# Altium PCB Proyecto_0 - V2.PcbDoc (part 3 of 6) (continued)
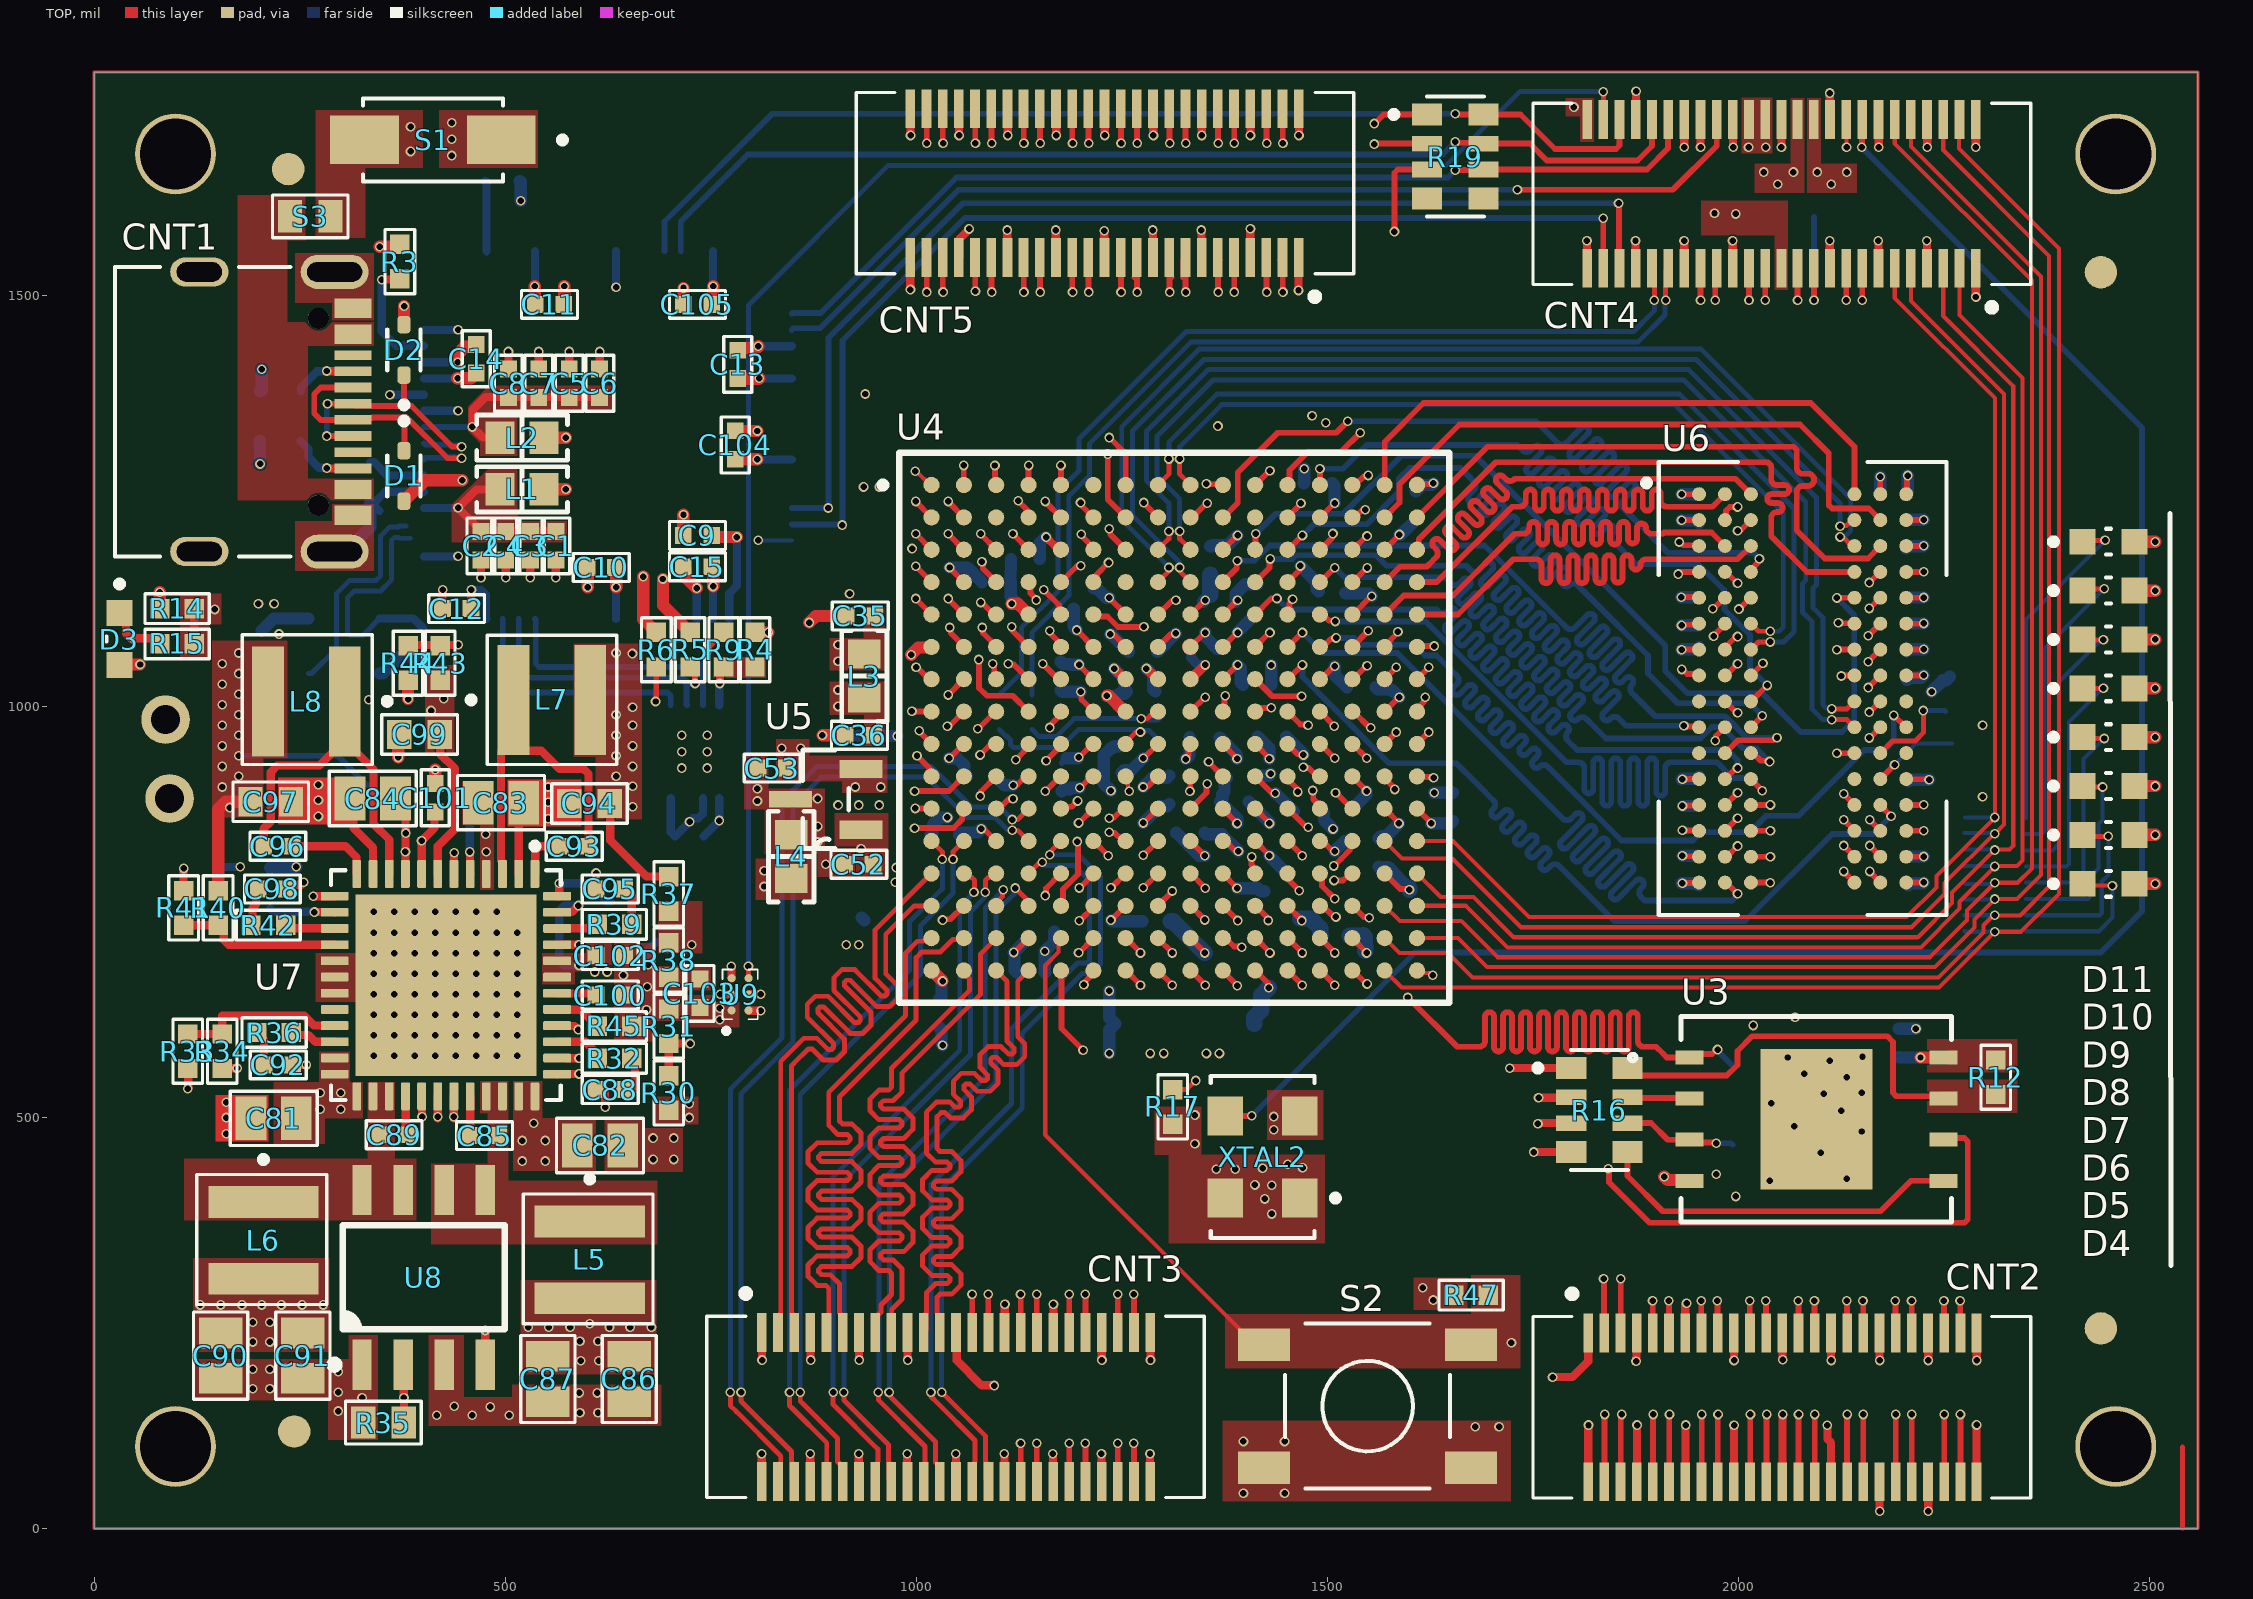
[diagram p0: TOP view]
## Nets (pads, with @x,y where several pads share a name; then routed paths per layer and width w, separated by ;. In a path a pad name is that pad's centre, name@x,y a point inside that pad or via, vN(x,y) a via of type N, cw(c..) or ccw(c..) an arc to the next point about the centre after c; other vN are vias at no path point) (continued)
  TOP w7: U4.B12@1451.68,1229.97 1451.68,1230.33 1468,1246.64 v1(1468,1247) ; v1(2128.19,830.83) 2128.19,830.53 2141.2,817.52 U6.R7@2141.2,817.21
  Signal[2] w6: v1(1468,1247) 1479.7,1235.3 1487,1228 1597,1228 1609.94,1228 cw(c1609.94,1222) 1615.94,1222 1615.94,1214.29 ccw(c1620.91,1214.29) 1625.87,1214.29 1625.87,1228.03 cw(c1630.84,1228.03) 1635.81,1228.03 1635.81,1214.29 ccw(c1640.78,1214.29) 1645.75,1214.29 1645.75,1228.03 cw(c1650.72,1228.03) 1655.69,1228.03 1655.69,1214.29 ccw(c1660.65,1214.29) 1665.62,1214.29 1665.62,1228.03 cw(c1670.59,1228.03) 1675.56,1228.03 1675.56,1214.29 ccw(c1680.53,1214.29) 1685.5,1214.29 1685.5,1228.03 cw(c1690.46,1228.03) 1695.43,1228.03 1695.43,1218.39 ccw(c1700.4,1218.39) 1705.37,1218.39 1705.37,1222 cw(c1711.37,1222) 1711.37,1228 1738.57,1228 1745,1228 1870.5,1102.5 1870.5,1024.5 1948,947 2048,947 2060,935 2060,845 2074.17,830.83 v1(2128.19,830.83)
ADD12: U4.A12 U6.N7 | length 1147
  TOP w7: U4.A12@1451.68,1269.34 1454.11,1271.76 1454.11,1287.34 1476.48,1309.71 1516.71,1309.71 v1(1540,1333) ; v1(2128.19,893.83) 2128.19,893.52 2141.2,880.51 U6.N7@2141.2,880.2
  Signal[2] w6: v1(1540,1333) 2069,1333 2096,1306 2096,1110 2142,1064 2142,949.61 2128.19,935.8 v1(2128.19,893.83)
ADD13: U4.H11 U6.T3 | length 1153.2
  TOP w7: U4.H11@1412.31,993.74 1415.75,993.74 1420.12,998.12 1431.5,998.12 v1(1431.73,998.34) ; U6.T3@2015.22,785.71 v1(2038.7,785.73)
  Signal[2] w6: v1(1431.73,998.34) 1652.66,998.34 1689,962 1689,798 1719.54,767.46 1747.17,767.46 1750.17,767.46 ccw(c1750.17,773.46) 1756.17,773.46 1756.17,779.49 cw(c1761.14,779.49) 1766.1,779.49 1766.1,760.18 ccw(c1771.07,760.18) 1776.04,760.18 1776.04,779.49 cw(c1781.01,779.49) 1785.98,779.49 1785.98,760.18 ccw(c1790.95,760.18) 1795.92,760.18 1795.92,779.49 cw(c1800.88,779.49) 1805.85,779.49 1805.85,760.18 ccw(c1810.82,760.18) 1815.79,760.18 1815.79,779.49 cw(c1820.76,779.49) 1825.73,779.49 1825.73,760.18 ccw(c1830.69,760.18) 1835.66,760.18 1835.66,779.49 cw(c1840.63,779.49) 1845.6,779.49 1845.6,760.18 ccw(c1850.57,760.18) 1855.54,760.18 1855.54,779.49 cw(c1860.51,779.49) 1865.47,779.49 1865.47,765.27 ccw(c1870.44,765.27) 1875.41,765.27 1875.41,773.46 cw(c1880.38,773.46) 1885.35,773.46 ccw(c1891.35,773.46) 1891.35,767.46 1937.82,767.46 1943,767.46 1961.27,785.73 v1(2038.7,785.73)
ADD14: U4.H13 U6.T7 | length 1139.8
  TOP w7: U4.H13@1491.05,994.13 U4.H13@1491.05,993.74 1508.43,976.37 v1(1508.43,975.98) ; v1(2128.19,799.34) 2128.19,799.03 2141.2,786.02 U6.T7@2141.2,785.71
  Signal[2] w6: v1(1508.43,975.98) 1519.46,987 1621,987 1631,977 ; 1630.84,976.84 1674,933.68 1674,787 1729,732 1894.89,732 1935.15,732 ccw(c1935.15,738) 1941.15,738 cw(c1946.12,738) 1951.09,738 1951.09,732 ccw(c1956.06,732) 1961.03,732 1961.03,746.81 cw(c1966,746.81) 1970.97,746.81 1970.97,731.97 ccw(c1975.93,731.97) 1980.9,731.97 1980.9,751.05 cw(c1985.87,751.05) 1990.84,751.05 1990.84,731.97 ccw(c1995.81,731.97) 2000.78,731.97 2000.78,751.05 cw(c2005.74,751.05) 2010.71,751.05 2010.71,731.97 ccw(c2015.68,731.97) 2020.65,731.97 2020.65,751.05 cw(c2025.62,751.05) 2030.59,751.05 2030.59,731.97 ccw(c2035.56,731.97) 2040.52,731.97 2040.52,751.05 cw(c2045.49,751.05) 2050.46,751.05 2050.46,738 ccw(c2056.46,738) 2056.46,732 2060.85,732 2065.88,737.03 v1(2128.19,799.34)
AGND: C37.1 C52.1 C53.1 C54.1 CNT4.39 L4.2 U4.G7 U4.H7 U5.3 | length 185.6
  TOP w12: v1(1240.72,1046.08) 1251.75,1035.05 1252.9,1035.05 U4.G7@1254.83,1033.12
  TOP w15: v1(1232,1013) 1234.31,1013 1253.57,993.74 U4.H7@1254.83,993.74
  BOT w15: v1(1232,1013) 1232.26,1012.74 1244.63,1012.74 1247.49,1015.61 1253.67,1015.61 C37.1@1256.41,1018.34 1253.67,1021.08 1253.67,1033.1 v1(1240.72,1046.08) ; v1(1236.87,897.63) 1236.79,897.63 1228,906.41 1228,940.3 1236.79,949.09 1238.48,949.09 1240.98,951.59 1247.26,951.59 C54.1@1250,954.32
  other v1: 890,808 880,835 880,854 806.91,885 880,888 806.91,900 2048,1635 2031,1650 2067,1650
B1: CNT5.15 U4.D3 | length 447.4
  TOP w7: v1(1080,1176) 1080.92,1175.08 1080.92,1167.8 1097.35,1151.37 U4.D3@1097.35,1151.23 ; CNT5.15@1189.93,1545.66 1189.93,1504.24 v1(1190.17,1504)
  Signal[1] w6: v1(1080,1176) 1080,1196.21 1110,1226.21 1110,1399 1190.17,1479.17 v1(1190.17,1504)
B2: CNT5.40 U4.A4 | length 512.3
  TOP w7: U4.A4@1136.74,1269.35 1136.74,1290.89 v1(1136.76,1293.11) ; CNT5.40@1268.67,1726.76 1268.67,1685.34 v1(1268.91,1685.1)
  Signal[1] w6: v1(1136.76,1293.11) 1136.76,1374.76 1190,1428 1190,1428.41 1227,1465.41 1227,1524.09 1268.91,1566 v1(1268.91,1685.1)
B4: CNT5.46 U4.D5 | length 683.5
  TOP w7: U4.D5@1176.09,1151.23 1194.95,1170.08 1199.08,1170.08 v1(1200,1171) ; CNT5.46@1386.78,1726.76 1386.78,1685.34 v1(1387.02,1685.1)
  Signal[1] w6: v1(1200,1171) 1201.11,1172.11 1206.53,1172.11 1262.5,1228.08 1262.5,1271.53 1405,1414.03 1405,1553.27 1387.02,1571.26 v1(1387.02,1685.1)
B5: CNT5.48 U4.F4 | length 894.8
  TOP w7: v1(1116.21,1096.79) 1116.21,1093 U4.F4@1136.72,1072.49 ; CNT5.48@1426.15,1726.76 1426.15,1685.34 v1(1426.39,1685.1)
  Signal[1] w6: v1(1116.21,1096.79) 1151.9,1096.79 1198.36,1143.25 1266.22,1143.25 1340.82,1217.86 1340.82,1274.25 1478,1411.42 1478,1515 1426.39,1566.61 v1(1426.39,1685.1)
B6: CNT5.49 U4.F5 | length 872.9
  TOP w7: v1(1162.58,1092.05) 1163.5,1091.13 1163.5,1088.51 1176.09,1075.92 U4.F5@1176.09,1072.49 ; CNT5.49@1445.83,1726.76 1445.83,1685.34 v1(1446.07,1685.1)
  Signal[1] w6: v1(1162.58,1092.05) 1183.61,1113.08 1284.44,1113.08 1297.94,1126.58 1297.94,1126.64 1366.73,1195.43 1366.73,1275.73 1490,1399 1490,1524 1446.07,1567.93 v1(1446.07,1685.1)
B7: CNT5.2 U4.D4 | length 606.9
  TOP w6: CNT5.2@1442.69,1542.99 CNT5.2@1445.59,1545.9
  TOP w7: U4.D4@1136.72,1151.23 1139.15,1148.8 1139.15,1137.7 1146.15,1130.7 v1(1146.15,1129.4) ; CNT5.2@1445.83,1545.66 1445.83,1504.24 v1(1446.07,1504)
  Signal[1] w6: v1(1146.15,1129.4) 1163.4,1129.4 1190,1156 1234.97,1156 1296.48,1217.52 1319,1240.03 1319,1268 1446.07,1395.07 v1(1446.07,1504)
BA0: U4.E11 U6.M2 | length 1110
  TOP w7: U4.E11@1412.31,1111.86 1431.73,1131.27 v1(1438.8,1131.27) ; U6.M2@1983.72,911.7 1996.1,924.08 1998.08,924.08 v1(1999,925)
  BOT w7: v1(1438.8,1131.27) 1452.07,1118 1633,1118 1633.05,1117.95 1635.52,1115.48 ccw(c1640.47,1120.43) 1645.42,1115.48 1647.83,1117.88 cw(c1651.69,1114.01) 1655.56,1117.88 cw(c1651.69,1114.01) 1655.56,1110.15 1644.47,1099.06 ccw(c1648.34,1095.19) 1644.47,1091.32 ccw(c1648.34,1095.19) 1652.21,1091.32 1663.3,1102.41 cw(c1667.16,1098.55) 1671.03,1102.41 cw(c1667.16,1098.55) 1671.03,1094.68 1659.94,1083.59 ccw(c1663.81,1079.72) 1659.94,1075.86 ccw(c1663.81,1079.72) 1667.67,1075.86 1678.76,1086.95 cw(c1682.63,1083.08) 1686.5,1086.95 cw(c1682.63,1083.08) 1686.5,1079.21 1675.41,1068.12 ccw(c1679.27,1064.26) 1675.41,1060.39 ccw(c1679.27,1064.26) 1683.14,1060.39 1694.23,1071.48 cw(c1698.1,1067.61) 1701.96,1071.48 cw(c1698.1,1067.61) 1701.96,1063.74 1690.87,1052.65 ccw(c1694.74,1048.79) 1690.87,1044.92 ccw(c1694.74,1048.79) 1698.61,1044.92 1709.7,1056.01 cw(c1713.56,1052.14) 1717.43,1056.01 cw(c1713.56,1052.14) 1717.43,1048.28 1706.34,1037.19 ccw(c1710.21,1033.32) 1706.34,1029.45 ccw(c1710.21,1033.32) 1714.07,1029.45 1725.16,1040.54 cw(c1729.03,1036.68) 1732.9,1040.54 cw(c1729.03,1036.68) 1732.9,1032.81 1721.81,1021.72 ccw(c1725.67,1017.85) 1721.81,1013.99 ccw(c1725.67,1017.85) 1729.54,1013.99 1740.63,1025.08 cw(c1744.5,1021.21) 1748.37,1025.08 cw(c1744.5,1021.21) 1748.37,1017.34 1737.28,1006.25 ccw(c1741.14,1002.39) 1737.28,998.52 ccw(c1741.14,1002.39) 1745.01,998.52 1756.1,1009.61 cw(c1759.97,1005.74) 1763.83,1009.61 cw(c1759.97,1005.74) 1763.83,1001.88 1752.74,990.79 ccw(c1756.61,986.92) 1752.74,983.05 ccw(c1756.61,986.92) 1760.48,983.05 1771.57,994.14 cw(c1775.43,990.28) 1779.3,994.14 cw(c1775.43,990.28) 1779.3,986.41 1770.37,977.48 ccw(c1774.23,973.61) 1770.37,969.74 ccw(c1774.23,973.61) 1778.1,969.74 1784.63,976.27 cw(c1788.5,972.4) 1792.36,976.27 cw(c1788.5,972.4) 1792.36,968.54 ccw(c1797.31,963.59) 1792.36,958.64 1804,947 1818.36,947 1987,947 1999.08,934.92 1999.08,925.92 v1@2000,925
BA1: U4.G12 U6.N8 | length 1111.9
  TOP w7: U4.G12@1451.68,1033.12 1452.07,1033.12 1469.45,1050.49 v1(1469.84,1050.49) ; U6.N8@2172.7,880.2 2172.7,879.89 2185.7,866.88 v1(2185.7,866.57)
  BOT w7: v1(1469.84,1050.49) 1469.84,1036.16 1575,931 1657,931 1680.5,907.5 1682.97,905.03 1702.34,885.66 cw(c1697.39,880.71) 1702.34,875.76 1700.95,874.37 ccw(c1704.81,870.5) 1700.95,866.64 ccw(c1704.81,870.5) 1708.68,866.64 1714.69,872.65 cw(c1718.56,868.78) 1722.42,872.65 cw(c1718.56,868.78) 1722.42,864.91 1714.18,856.67 ccw(c1718.04,852.8) 1714.18,848.93 ccw(c1718.04,852.8) 1721.91,848.93 1730.16,857.18 cw(c1734.02,853.31) 1737.89,857.18 cw(c1734.02,853.31) 1737.89,849.45 1729.64,841.2 ccw(c1733.51,837.33) 1729.64,833.47 ccw(c1733.51,837.33) 1737.38,833.47 1745.62,841.71 cw(c1749.49,837.85) 1753.36,841.71 cw(c1749.49,837.85) 1753.36,833.98 1745.11,825.73 ccw(c1748.98,821.87) 1745.11,818 ccw(c1748.98,821.87) 1752.84,818 1761.09,826.25 cw(c1764.96,822.38) 1768.83,826.25 cw(c1764.96,822.38) 1768.83,818.51 1760.58,810.26 ccw(c1764.45,806.4) 1760.58,802.53 ccw(c1764.45,806.4) 1768.31,802.53 1771.94,806.16 cw(c1776.89,801.21) 1781.84,806.16 1784.32,803.68 1849,739 2008.1,739 2114.1,845 2164.13,845 v1(2185.7,866.57)
BA2: U4.E13 U6.M3 | length 1112.8
  TOP w7: U4.E13@1491.05,1111.86 1494.49,1111.86 1502.08,1104.26 1508.81,1104.26 v1(1509.73,1103.34) ; U6.M3@2015.22,911.7 2015.22,911.53 2029.03,897.71 v1(2029.03,897.54)
  BOT w7: v1(1509.73,1103.34) 1619.66,1103.34 1791,932 1791.17,932 1805.61,932 cw(c1805.61,925) 1812.61,925 1812.61,899.58 ccw(c1818.08,899.58) 1823.55,899.58 1823.55,931.53 cw(c1829.02,931.53) 1834.49,931.53 1834.49,884.62 ccw(c1839.95,884.62) 1845.42,884.62 1845.42,931.53 cw(c1850.89,931.53) 1856.36,931.53 1856.36,884.62 ccw(c1861.83,884.62) 1867.3,884.62 1867.3,931.53 cw(c1872.77,931.53) 1878.23,931.53 1878.23,884.62 ccw(c1883.7,884.62) 1889.17,884.62 1889.17,931.53 cw(c1894.64,931.53) 1900.11,931.53 1900.11,896.7 ccw(c1905.58,896.7) 1911.05,896.7 1911.05,925 cw(c1918.05,925) 1918.05,932 1935.52,932 1974,932 1993,913 2013.58,913 v1(2029.03,897.54)
BVUS: CNT1.A4_B9 CNT1.B4_A9 S3.1
BVUS_PROTECTED: R8.2 S1.A S3.2
  other v1: 385,1675 385,1705
C1: CNT5.14 U4.B4 | length 356.6
  TOP w7: v1(1123.98,1250.04) 1134.3,1239.72 1134.3,1232.39 U4.B4@1136.72,1229.97 ; CNT5.14@1209.61,1545.66 1209.61,1504.24 v1(1209.85,1504)
  Signal[1] w6: v1(1123.98,1250.04) 1123.98,1383.98 1209.85,1469.85 v1(1209.85,1504)
C2: CNT5.12 U4.C4 | length 417.5
  TOP w7: v1(1117.74,1210) 1117.74,1209.58 U4.C4@1136.72,1190.6 ; CNT5.12@1248.98,1545.66 1248.98,1504.24 v1(1249.22,1504)
  Signal[1] w6: v1(1117.74,1210) 1141,1233.26 1141,1270 1150,1279 1150,1363 1249.22,1462.22 v1(1249.22,1504)
C3: CNT5.11 U4.B5 | length 395.1
  TOP w6: 1265.08,1521.76 1265.52,1522.2 1265.52,1542.99 CNT5.11@1268.43,1545.9
  TOP w7: v1@1157.11,1248.95 U4.B5@1176.09,1229.97 ; CNT5.11@1268.67,1545.66 1268.67,1504.24 v1(1268.91,1504)
  Signal[1] w6: v1(1157.11,1249.37) 1157.11,1250.94 1164,1257.83 1164,1345 1268.91,1449.91 v1(1268.91,1504)
C4: CNT5.33 U4.E1 | length 785.3
  TOP w7: v1(999.63,1131.26) 999.63,1130.84 U4.E1@1018.61,1111.86 ; CNT5.33@1130.87,1726.76 1130.87,1685.34 v1(1131.11,1685.1)
  Signal[1] w6: v1(999.63,1131.26) 981.74,1131.26 882,1231 882,1435.99 v1(1131.11,1685.1)
C6: CNT5.9 U4.E5 | length 531.6
  TOP w6: CNT5.9@1307.8,1545.9 1308.04,1545.66 1310.7,1542.99 1310.7,1522.2 1311.14,1521.76
  TOP w7: v1(1155,1142) 1173.67,1123.33 1173.67,1114.28 U4.E5@1176.09,1111.86 ; CNT5.9@1308.04,1545.66 1308.04,1504.24 v1(1308.28,1504)
  Signal[1] w6: v1(1155,1142) 1172,1159 1187.03,1174.03 1187.03,1321.03 1308.28,1442.28 v1(1308.28,1504)
C7: CNT5.8 U4.B6 | length 400.7
  TOP w6: 1324.14,1521.76 1324.57,1522.2 1324.57,1542.99 CNT5.8@1327.48,1545.9
  TOP w7: v1(1199.99,1248.02) 1200.91,1247.1 1200.91,1244.52 U4.B6@1215.46,1229.97 ; CNT5.8@1327.72,1545.66 1327.72,1504.24 v1(1327.96,1504)
  Signal[1] w6: v1(1199.99,1248.02) 1199.99,1308.99 1327.96,1436.96 v1(1327.96,1504)
C\A\S\: U4.C12 U6.K3 | length 1100.1
  TOP w7: U4.C12@1451.68,1190.6 1452.07,1190.6 1469.45,1207.97 v1(1469.84,1207.97) ; U6.K3@2015.22,974.69 v1(2029.22,988.69)
  BOT w7: v1(1469.84,1207.97) 1483.58,1221.71 1548.16,1221.71 1587,1260.54 1587,1277 1600,1290 1662,1290 1668.38,1283.62 1670.86,1281.14 1678.59,1273.41 cw(c1673.64,1268.46) 1678.59,1263.51 1672.48,1257.39 ccw(c1676.34,1253.53) 1672.48,1249.66 ccw(c1676.34,1253.53) 1680.21,1249.66 1690.94,1260.39 cw(c1694.81,1256.53) 1698.68,1260.39 cw(c1694.81,1256.53) 1698.68,1252.66 1687.94,1241.93 ccw(c1691.81,1238.06) 1687.94,1234.19 ccw(c1691.81,1238.06) 1695.68,1234.19 1706.41,1244.93 cw(c1710.28,1241.06) 1714.15,1244.93 cw(c1710.28,1241.06) 1714.15,1237.19 1703.41,1226.46 ccw(c1707.28,1222.59) 1703.41,1218.72 ccw(c1707.28,1222.59) 1711.15,1218.72 1721.88,1229.46 cw(c1725.75,1225.59) 1729.61,1229.46 cw(c1725.75,1225.59) 1729.61,1221.72 1718.88,1210.99 ccw(c1722.75,1207.12) 1718.88,1203.26 ccw(c1722.75,1207.12) 1726.61,1203.26 1737.35,1213.99 cw(c1741.21,1210.12) 1745.08,1213.99 cw(c1741.21,1210.12) 1745.08,1206.26 1734.35,1195.52 ccw(c1738.21,1191.66) 1734.35,1187.79 ccw(c1738.21,1191.66) 1742.08,1187.79 1752.81,1198.52 cw(c1756.68,1194.66) 1760.55,1198.52 cw(c1756.68,1194.66) 1760.55,1190.79 1749.81,1180.06 ccw(c1753.68,1176.19) 1749.81,1172.32 ccw(c1753.68,1176.19) 1757.55,1172.32 1768.28,1183.06 cw(c1772.15,1179.19) 1776.01,1183.06 cw(c1772.15,1179.19) 1776.01,1175.32 1765.28,1164.59 ccw(c1769.15,1160.72) 1765.28,1156.86 ccw(c1769.15,1160.72) 1773.01,1156.86 1783.75,1167.59 cw(c1787.62,1163.72) 1791.48,1167.59 cw(c1787.62,1163.72) 1791.48,1159.86 1786.8,1155.17 ccw(c1790.67,1151.31) 1786.8,1147.44 ccw(c1790.67,1151.31) 1794.53,1147.44 1794.6,1147.5 cw(c1799.55,1142.55) 1804.5,1147.5 1817.35,1134.65 1819.83,1132.17 1890,1062 1890,1040 1926.2,1003.8 2014.1,1003.8 v1(2029.22,988.69)
C\S\: U4.D10 U6.L2 | length 1140.9
  TOP w7: U4.D10@1372.94,1151.23 1389.81,1168.09 1389.81,1176.42 v1(1390.73,1177.34) ; U6.L2@1983.72,943.19 1999.47,958.94 2042.64,958.94 2045.7,962 v1(2047,962)
  BOT w7: v1(1390.73,1177.34) 1411.66,1177.34 1430.19,1195.88 1691.12,1195.88 1788.56,1098.44 1791.04,1095.96 ccw(c1795.99,1100.91) 1800.94,1095.96 1816.14,1111.17 cw(c1820.01,1107.3) 1823.87,1111.17 cw(c1820.01,1107.3) 1823.87,1103.43 1805.01,1084.57 ccw(c1808.88,1080.71) 1805.01,1076.84 ccw(c1808.88,1080.71) 1812.75,1076.84 1831.61,1095.7 cw(c1835.47,1091.83) 1839.34,1095.7 cw(c1835.47,1091.83) 1839.34,1087.97 1820.48,1069.11 ccw(c1824.35,1065.24) 1820.48,1061.37 ccw(c1824.35,1065.24) 1828.21,1061.37 1847.07,1080.23 cw(c1850.94,1076.37) 1854.81,1080.23 cw(c1850.94,1076.37) 1854.81,1072.5 1835.95,1053.64 ccw(c1839.82,1049.77) 1835.95,1045.91 ccw(c1839.82,1049.77) 1843.68,1045.91 1861.84,1064.06 cw(c1865.7,1060.19) 1869.57,1064.06 cw(c1865.7,1060.19) 1869.57,1056.33 1851.42,1038.17 ccw(c1855.28,1034.3) 1851.42,1030.44 ccw(c1855.28,1034.3) 1859.15,1030.44 1862.81,1034.09 cw(c1866.67,1030.23) 1870.54,1034.09 cw(c1866.67,1030.23) 1870.54,1026.36 ccw(c1875.49,1021.41) 1870.54,1016.46 1875.74,1011.25 1878.22,1008.78 1898.95,988.05 1983.95,988.05 2010,962 v1(2047,962)
CK_N: U4.C9 U6.K7 | length 1352.8
  TOP w6: v1(1320.39,1213) 1320.39,1203.78 U4.C9@1333.57,1190.6 ; v1(2113.7,983.94) 2121.45,983.94 2131.95,983.94 U6.K7@2141.2,974.69
  BOT w6: v1(1320.39,1213) 1320.39,1252.61 1293,1280 1293,1329 1361,1397 1933.62,1397 2082,1248.62 2082,1153.27 2078.01,1149.28 2078.01,1114.57 2089.79,1102.79 2089.79,996.76 2102.61,983.94 v1(2113.7,983.94)
CK_P: U4.C8 U6.J7 | length 1374.3
  TOP w6: U4.C8@1294.2,1190.6 1307.39,1203.78 v1(1307.39,1213) ; v1(2113.7,996.94) 2126.83,996.94 2131.95,996.94 U6.J7@2141.2,1006.19
  BOT w6: v1(1307.39,1213) 1307.39,1247.23 1280,1274.62 1280,1321.38 1280,1334.38 1355.62,1410 1939,1410 2095,1254 2095,1147.89 2091.01,1143.9 2091.01,1119.95 2102.79,1108.17 2102.79,1002.14 2106.88,998.05 2112.58,998.05 v1(2113.7,996.94)
CKE: U4.F13 U6.K9 | length 1141.1
  TOP w7: U4.F13@1491.05,1072.49 1494.49,1072.49 1504.43,1082.42 1509.81,1082.42 v1(1510.73,1083.34) ; v1(2189,989) 2189.44,989 2203.75,974.69 U6.K9@2204.35,974.69
  BOT w7: v1(1510.73,1083.34) 1532.66,1083.34 1541,1075 1606,1075 1619,1062 1633,1062 1647.5,1047.5 1649.97,1045.03 1657.71,1037.29 cw(c1652.76,1032.34) 1657.71,1027.39 1653.54,1023.23 ccw(c1657.41,1019.36) 1653.54,1015.49 ccw(c1657.41,1019.36) 1661.28,1015.49 1670.55,1024.76 cw(c1674.41,1020.9) 1678.28,1024.76 cw(c1674.41,1020.9) 1678.28,1017.03 1669.01,1007.76 ccw(c1672.88,1003.89) 1669.01,1000.03 ccw(c1672.88,1003.89) 1676.75,1000.03 1686.01,1009.29 cw(c1689.88,1005.43) 1693.75,1009.29 cw(c1689.88,1005.43) 1693.75,1001.56 1684.48,992.29 ccw(c1688.35,988.43) 1684.48,984.56 ccw(c1688.35,988.43) 1692.21,984.56 1701.48,993.83 cw(c1705.35,989.96) 1709.21,993.83 cw(c1705.35,989.96) 1709.21,986.09 1699.95,976.83 ccw(c1703.81,972.96) 1699.95,969.09 ccw(c1703.81,972.96) 1707.68,969.09 1716.95,978.36 cw(c1720.82,974.49) 1724.68,978.36 cw(c1720.81,974.49) 1724.68,970.63 1715.41,961.36 ccw(c1719.28,957.49) 1715.41,953.62 ccw(c1719.28,957.49) 1723.15,953.62 1732.42,962.89 cw(c1736.28,959.03) 1740.15,962.89 cw(c1736.28,959.03) 1740.15,955.16 1735.04,950.05 ccw(c1738.91,946.19) 1735.04,942.32 ccw(c1738.91,946.19) 1742.78,942.32 1747.73,947.27 cw(c1751.6,943.41) 1755.46,947.27 cw(c1751.6,943.41) 1755.46,939.54 1750.51,934.59 ccw(c1754.38,930.72) 1750.51,926.85 ccw(c1754.38,930.72) 1758.25,926.85 cw(c1763.2,921.9) 1768.15,926.85 1783.53,911.47 1786,909 1858,837 1945,837 1955,847 2014,847 2034.04,867.04 2073.04,867.04 2153,947 2178,947 2189,958 v1(2189,989)
COMP1: R32.2 U7.39 | length 63.1
  TOP w10: U7.39@563.24,592.1 597.9,592.1 R32.2@618,572
COMP2: R36.2 U7.22 | length 57.4
  TOP w10: R36.2@240,603.39 242.95,600.44 260.95,600.44 269.29,592.1 U7.22@292.76,592.1
COMP3: R39.2 U7.46 | length 50.9
  TOP w10: U7.46@563.24,729.9 563.55,730.21 607.21,730.21 R39.2@612,735
COMP4: R42.2 U7.15 | length 61.5
  TOP w10: R42.2@233,734 236.79,730.21 292.45,730.21 U7.15@292.76,729.9
CONFIG_TCK: CNT4.28 R19.8 U1.28 | length 1302.8
  TOP w7: v1@1656,1721 1657.3,1721 1658.3,1720 R19.8@1690,1720 1735,1720 1776.92,1678.08 1851.08,1678.08 1855.52,1682.52 CNT4.28@1855.52,1714
  BOT w7: U1.28@693.9,1553.62 693.9,1589.9 825,1721 v1(1655.51,1721)
CONFIG_TCK_T: R19.1 U4.N7 | length 1236.6
  TOP w7: v1@1237.26,779.52 U4.N7@1254.64,796.89 ; v1@1557.65,1709 1568.65,1720 R19.1@1621.5,1720
  Signal[2] w6: v1(1236.87,779.52) 1236.87,791.13 1212,816 1212,1323 1307,1418 1411,1418 1524.93,1531.93 1524.93,1676.93 v1(1557,1709)
CONFIG_TDI: CNT4.31 R19.6 U1.33 | length 1182.9
  TOP w7: v1@1657,1652 1657.54,1652.54 1689.46,1652.54 R19.6@1690,1653.07 1888.74,1653.07 1914.57,1678.9 CNT4.31@1914.57,1714
  BOT w7: U1.33@848.62,1477.64 849.48,1478.49 884.03,1478.49 1049,1643.46 1646.97,1643.46 v1(1655.51,1652)
CONFIG_TDI_T: R19.3 U4.L7 | length 1078.9
  TOP w7: v1(1235,864) 1235.92,864.92 1240.69,864.92 1251.4,875.63 U4.L7@1254.64,875.63 ; v1(1581.73,1577.64) 1581.73,1648.97 1585.83,1653.07 R19.3@1621.5,1653.07
  Signal[2] w6: v1(1235,864) 1258.04,864 1280.76,886.72 1291,896.96 1291,1348 1326.25,1383.25 1447.25,1383.25 1581.73,1517.73 v1(1581.73,1577.64)
CONFIG_TDO: CNT4.34 U1.34 U4.N8 | length 2384.1
  TOP w7: v1@1276.63,779.52 U4.N8@1294.01,796.89 ; v1(1731.26,1628.35) 1920.27,1628.35 1973.63,1681.7 CNT4.34@1973.63,1714
  Signal[2] w6: v1(1276.24,779.52) 1276.24,803.46 1303,830.22 1303,1136.19 1335.78,1168.97 1335.78,1356.22 1345.28,1365.72 1468.63,1365.72 v1(1731.26,1628.35)
  BOT w7: U1.34@848.62,1457.95 850.59,1459.92 882.92,1459.92 1051.35,1628.35 v1(1731.26,1628.35)
CONFIG_TMS: CNT4.30 R19.7 U1.29 | length 1306.4
  TOP w7: v1(1655.51,1686.54) 1656.43,1685.62 1688.95,1685.62 R19.7@1690,1684.57 1746.43,1684.57 1767,1664 1877.21,1664 1894.89,1681.68 CNT4.30@1894.89,1714
  BOT w7: U1.29@713.58,1553.62 713.73,1553.77 713.73,1589.73 795.19,1671.19 1640.16,1671.19 v1(1655.51,1686.54)
CONFIG_TMS_T: R19.2 U4.M7 | length 1138.3
  TOP w7: v1(1235,847) 1235.92,846.08 1241.59,846.08 1251.4,836.26 U4.M7@1254.64,836.26 ; v1(1557,1684) 1557.57,1684.57 R19.2@1621.5,1684.57
  Signal[2] w6: v1(1235,847) 1234.32,847 1222,859.32 1222,959 1260,997 1260,1347 1312,1399 1428,1399 1542.65,1513.65 1542.65,1669.65 v1(1557,1684)
D1: CNT5.36 U4.B1 | length 596.6
  TOP w7: v1(999.63,1249.37) 999.63,1248.95 U4.B1@1018.61,1229.97 ; CNT5.36@1189.93,1726.76 1189.93,1685.34 v1(1190.17,1685.1)
  Signal[1] w6: v1(999.63,1249.37) 984,1265 984,1429 1051,1496 1051,1545.94 v1(1190.17,1685.1)
D3: CNT5.18 U4.A2 | length 306.7
  TOP w7: U4.A2@1058,1269.35 1058,1290.89 v1(1058.02,1293.11) ; CNT5.18@1130.87,1545.66 1130.87,1504.24 v1(1131.11,1504)
  Signal[1] w6: v1(1058.02,1293.11) 1058.02,1412.02 1131.11,1485.11 v1(1131.11,1504)
D4: CNT5.34 U4.E2 | length 787.2
  TOP w7: v1(1039,1131.26) 1039,1130.84 U4.E2@1057.98,1111.86 ; CNT5.34@1150.56,1726.76 1150.56,1685.34 v1(1150.8,1685.1)
  Signal[1] w6: v1(1039,1131.26) 1023.26,1147 1007,1147 908,1246 908,1442.31 v1(1150.8,1685.1)
D5: CNT5.42 U4.A5 | length 512.3
  TOP w7: U4.A5@1176.11,1269.35 v1@1176.11,1290.89 ; v1@1176.13,1290.91 v1(1176.13,1293.11) ; CNT5.42@1308.04,1726.76 1308.04,1685.34 v1(1308.28,1685.1)
  Signal[1] w6: v1(1176.13,1293.11) 1176.13,1333.13 1286,1443 1286,1517.54 1308.28,1539.81 v1(1308.28,1685.1)
D6: CNT5.43 U4.A7 | length 514.9
  TOP w7: v1(1235,1327) 1254.83,1307.17 U4.A7@1254.83,1269.34 ; CNT5.43@1327.72,1726.76 1327.72,1685.34 v1(1327.96,1685.1)
  Signal[1] w6: v1(1235,1327) 1340.78,1432.78 1340.78,1526.99 1327.96,1539.81 v1(1327.96,1685.1)
D\D\R\_\R\E\S\E\T\: U4.F12 U6.T2 | length 1145.7
  TOP w7: U4.F12@1451.68,1072.49 1452.07,1072.49 1469.45,1089.86 v1(1469.84,1089.86) ; U6.T2@1983.72,785.71 1985.37,785.71 v1(1999,772.09)
  BOT w7: v1(1469.84,1089.86) 1494.7,1065 1585,1065 1783.96,866.04 1786.43,863.57 ccw(c1791.38,868.52) 1796.33,863.57 1801.45,868.68 cw(c1805.31,864.81) 1809.18,868.68 cw(c1805.31,864.81) 1809.18,860.95 1784.51,836.27 ccw(c1788.38,832.41) 1784.51,828.54 ccw(c1788.38,832.41) 1792.24,828.54 1816.91,853.21 cw(c1820.78,849.34) 1824.65,853.21 cw(c1820.78,849.34) 1824.65,845.48 1799.98,820.81 ccw(c1803.84,816.94) 1799.98,813.07 ccw(c1803.84,816.94) 1807.71,813.07 1832.38,837.74 cw(c1836.25,833.88) 1840.11,837.74 cw(c1836.25,833.88) 1840.11,830.01 1815.44,805.34 ccw(c1819.31,801.47) 1815.44,797.61 ccw(c1819.31,801.47) 1823.18,797.61 1847.85,822.28 cw(c1851.72,818.41) 1855.58,822.28 cw(c1851.71,818.41) 1855.58,814.54 1830.91,789.87 ccw(c1834.78,786.01) 1830.91,782.14 ccw(c1834.78,786.01) 1838.64,782.14 1863.32,806.81 cw(c1867.18,802.94) 1871.05,806.81 cw(c1867.18,802.94) 1871.05,799.08 1846.38,774.4 ccw(c1850.24,770.54) 1846.38,766.67 ccw(c1850.24,770.54) 1854.11,766.67 1875.6,788.16 cw(c1879.46,784.29) 1883.33,788.16 cw(c1879.46,784.29) 1883.33,780.42 1881.4,778.5 ccw(c1886.35,773.55) 1881.4,768.6 1886,764 1900.18,764 1992.49,764 1996.59,768.1 1996.59,768.38 1999,770.78 v1(1999,772.09)
DONE: CNT4.12 R14.1 R15.1 U4.H10 | length 2432.5
  TOP w7: U4.H10@1372.94,993.74 1375.08,995.88 1375.08,1012.08 v1(1376,1013) ; v1(2072,1494) CNT4.12@2072.03,1532.87
  TOP w10: R15.1@122,1076 R14.1@122,1119
  Signal[1] w7: v1(147,1118) 742,1118 828.46,1031.54 1089.04,1031.54 1177.99,942.58 1177.99,941.57 1201.33,918.23 1281.23,918.23 v1(1376,1013) 1481.63,1118.63 1481.63,1245.18 1504.46,1268 1569.79,1268 1580.05,1257.75 1836.87,1257.75 2072,1492.88 v1(2072,1494)
DQ0: U4.G15 U6.E3 | length 661
  TOP w7: U4.G15@1569.79,1033.12 1569.79,1033.25 1584,1047.46 v1(1584,1047.59) ; v1(2000.69,1118.44) 2001.09,1118.44 2014.82,1132.17 U6.E3@2015.22,1132.17
  Signal[1] w6: v1(1584,1047.59) 1636.41,1100 1657.08,1100 1660.08,1100 ccw(c1660.08,1106) 1666.08,1106 1666.08,1111.12 cw(c1671.04,1111.12) 1676.01,1111.12 1676.01,1088.4 ccw(c1680.98,1088.4) 1685.95,1088.4 1685.95,1111.12 cw(c1690.92,1111.12) 1695.89,1111.12 1695.89,1088.4 ccw(c1700.86,1088.4) 1705.82,1088.4 1705.82,1111.12 cw(c1710.79,1111.12) 1715.76,1111.12 1715.76,1088.62 ccw(c1720.73,1088.62) 1725.7,1088.62 1725.7,1094 cw(c1731.7,1094) 1731.7,1100 1759.85,1100 1901,1100 1918,1117 1937,1117 1948,1106 1989.03,1106 2000.69,1117.66 v1(2000.69,1118.44)
DQ1: U4.D14 U6.F7 | length 668.1
  TOP w7: U4.D14@1530.42,1151.23 1530.9,1151.23 1548.11,1168.44 v1(1548.58,1168.44) ; v1(2121.71,1101.71) 2122.23,1101.19 2140.68,1101.19 U6.F7@2141.2,1100.67
  Signal[1] w6: v1(1548.58,1168.44) 1548.75,1168.6 1759,1168.6 1762,1168.6 ccw(c1762,1174.6) 1768,1174.6 cw(c1772.97,1174.6) 1777.94,1174.6 ccw(c1783.94,1174.6) 1783.94,1168.6 1863,1168.6 1898.6,1168.6 1910,1180 1992,1180 2070.29,1101.71 v1(2121.71,1101.71)